# Altium PCB INC-QT1-R-005 93x100x1.6mm.PcbDoc
Units mil, origin at the board's own origin, x right, y up, seen from the top; angles counter-clockwise.
Board outline 3947.03 x 3672.67 mil, 2 copper layers (Top Layer, Bottom Layer); 116 components, 80 nets, 329 pads, 34 vias.
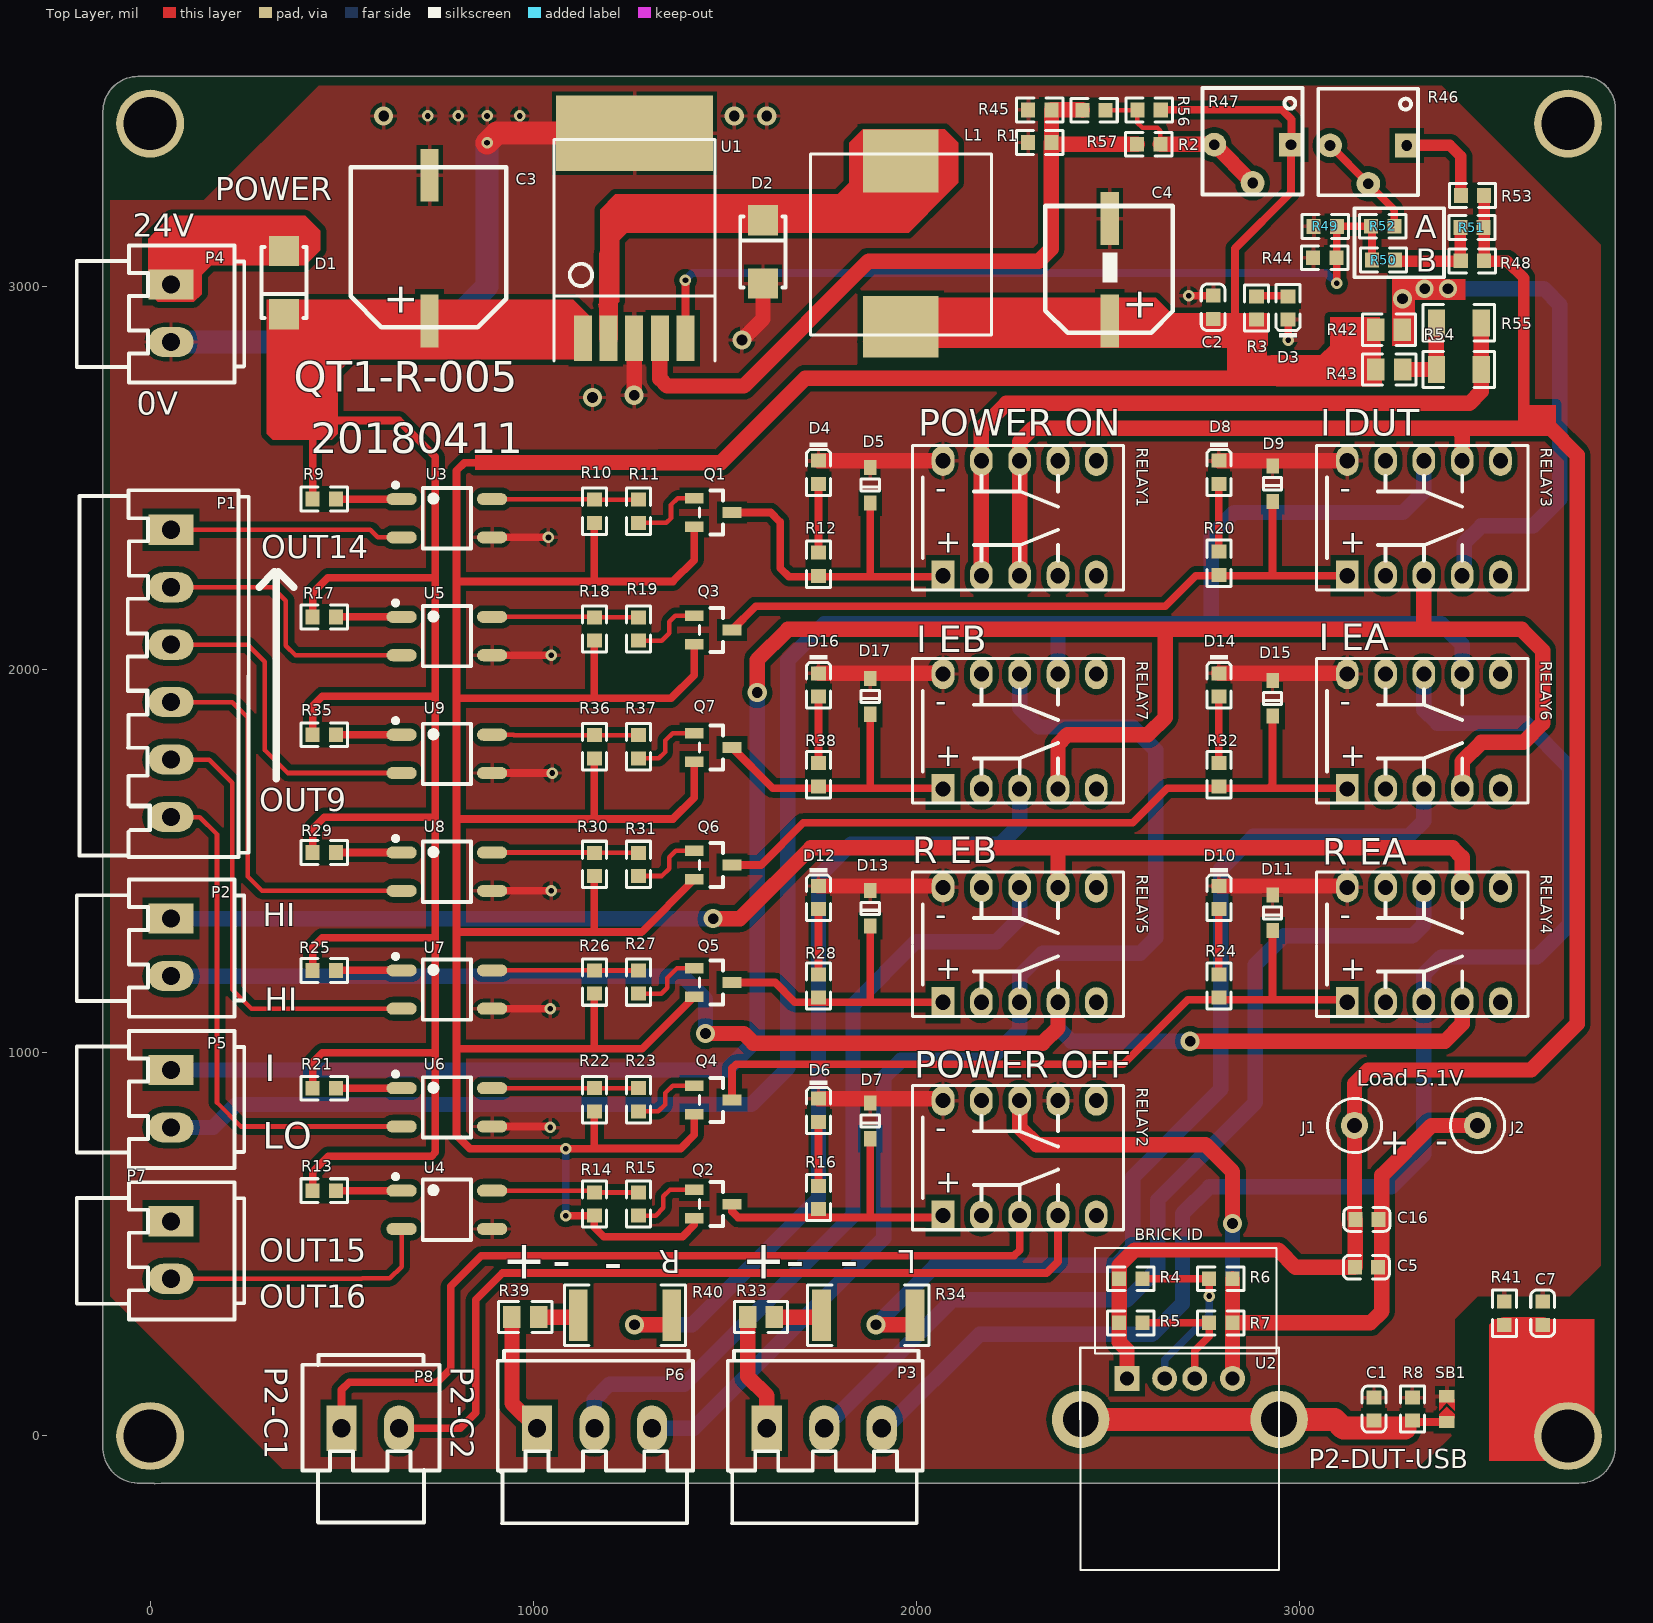
[diagram p0: Top Layer view]
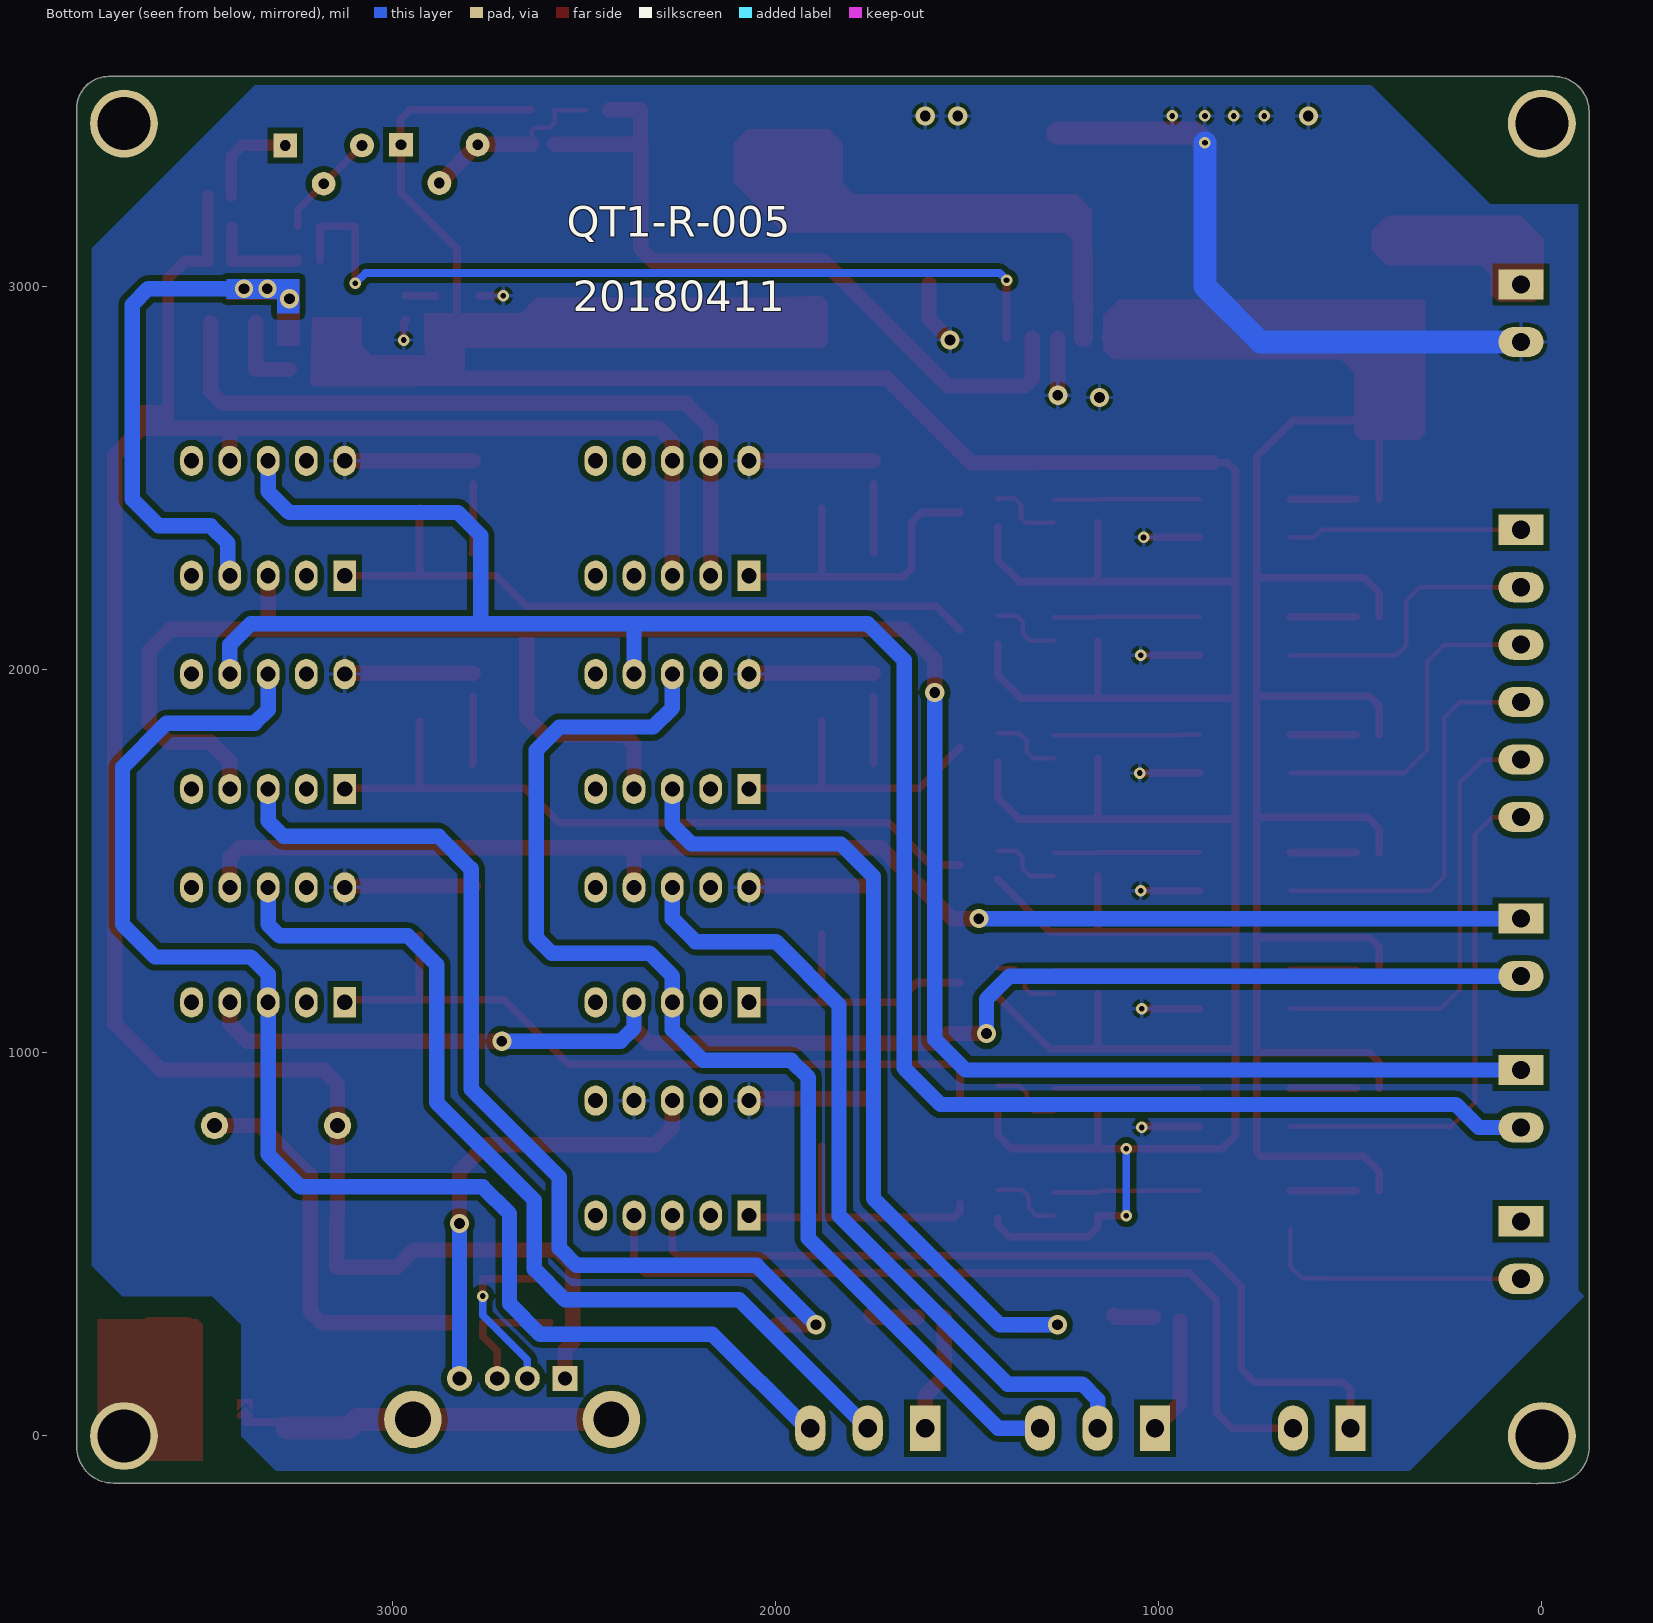
[diagram p1: Bottom Layer view, seen from below]
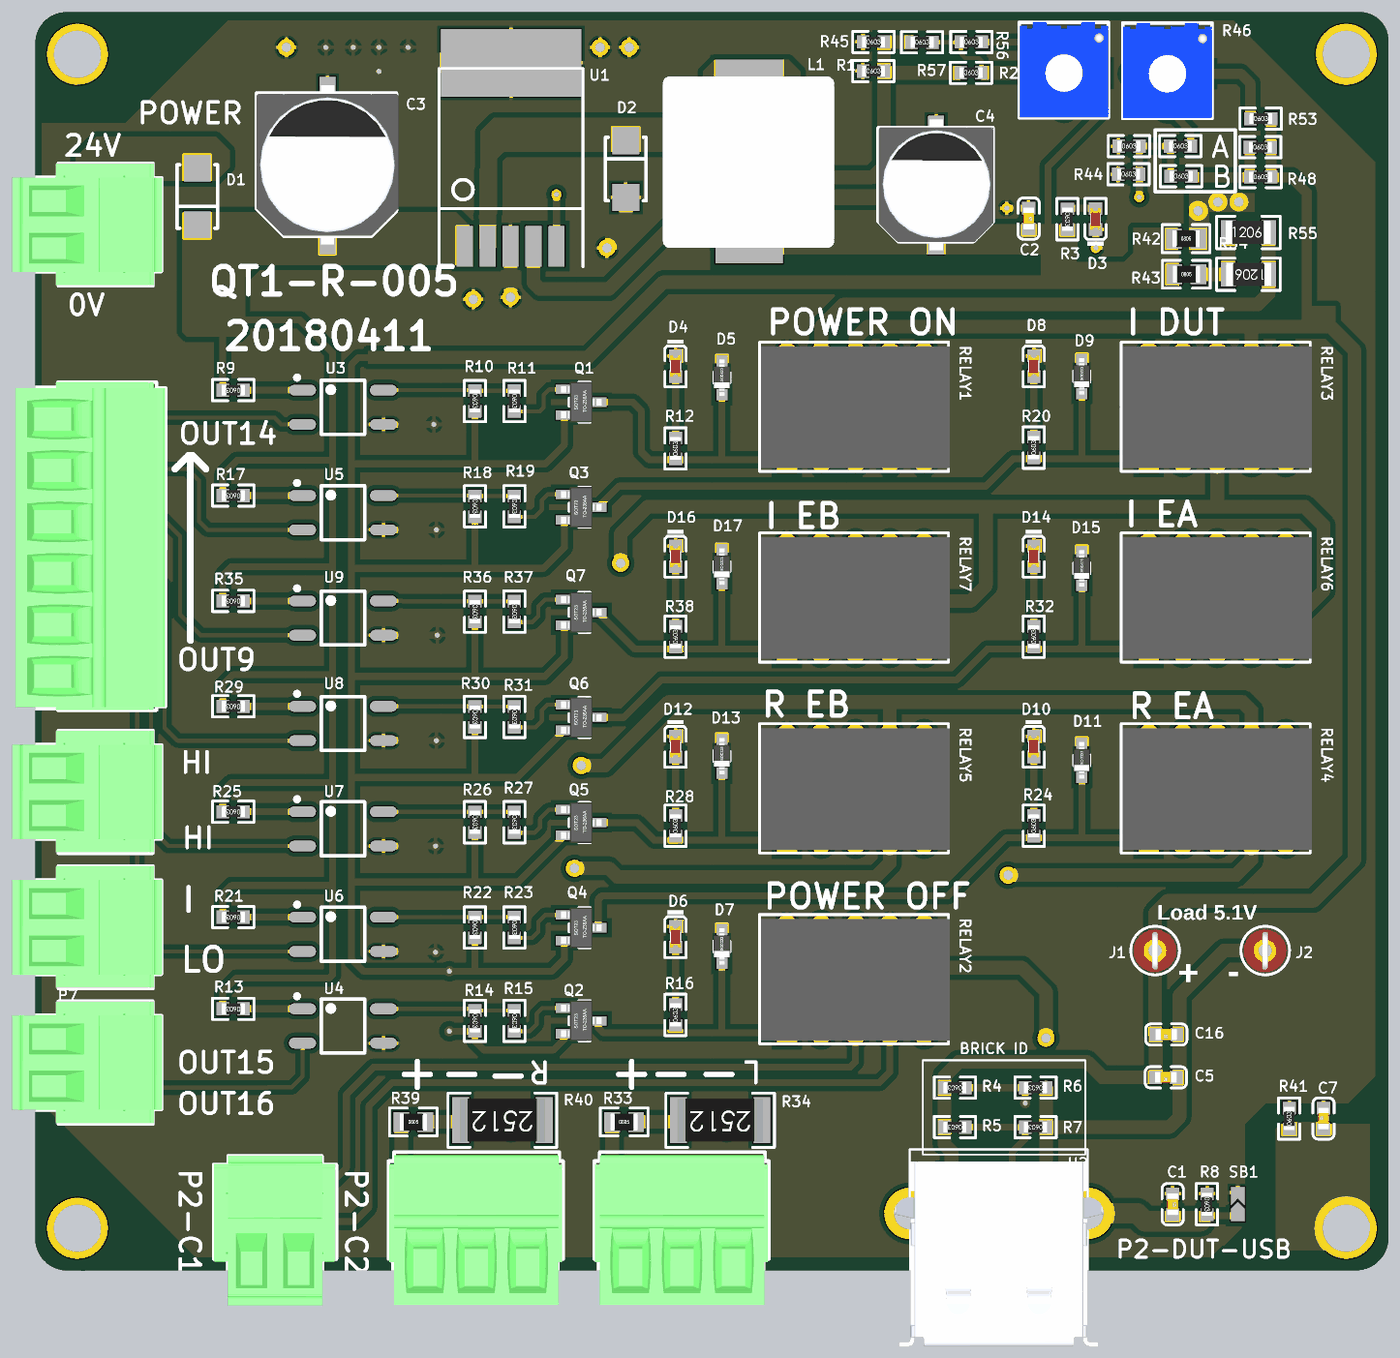
[diagram p2: 3D render of the assembled board from above, using the file's embedded part models]

## Layer stack, top to bottom
Top Solder: solder mask 0.4, Solder Resist, Dk 3.5
Top Layer: signal copper 1.4
Dielectric 1: dielectric 12.6, FR-4, Dk 4.8
Bottom Layer: signal copper 1.4
Bottom Solder: solder mask 0.4, Solder Resist, Dk 3.5

## Board outline
-25.29,-123.12 ccw(c-25.55,-118.11) -24.67,-123.05 9.4,-123.05 ccw(c12.83,-119.49) 13.23,-124.41 29.65,-123.05 3729.09,-123.05 ccw(c3729.09,-28.3) 3823.83,-28.3 3823.83,16.44 ccw(c3818.9,17.32) 3823.91,17.32 3823.91,3464.81 ccw(c3818.9,3464.81) 3823.83,3465.72 ccw(c3740.38,3464.81) 3740.38,3548.26 -31.8,3548.26 ccw(c-31.8,3457.01) -123.05,3457.01 -123.05,-33.92 ccw(c-118.11,-34.8) -123.12,-35.07 ccw(c-30.18,-30.18)

## Design rules (kind name [scope] priority, off if disabled: settings)
Clearance [All] p1: gap=15 ignorepadtopadclearanceinfootprint=FALSE
MinimumSolderMaskSliver [All] p1 off: minsoldermaskwidth=10
PolygonConnect [All] p1: connectstyle=Relief reliefconductorwidth=10 reliefentries=4 polygonreliefangle="90 Angle" airgapwidth=10
RoutingVias [All] p1: holewidth=28 width=50 viastyle="Through Hole" minholewidth=28 minwidth=50 maxholewidth=28 maxwidth=50
SilkToSilkClearance [All] p1 off: silktosilkclearance=10
SilkToSolderMaskClearance [IsPad] p1 off: minsilkscreentomaskgap=10 clearancetoexposedcopper=TRUE
SolderMaskExpansion [All] p1: expansion=4
Width [All] p1: maxlimit=100 minlimit=10 preferedwidth=20 minimp=50.000000 maximp=50.000000 favimp=50.000000
27 further rules are at their usual default settings.

## Components (designator, comment, footprint, x,y, rotation, side; value= is the part's Value field where it differs from the comment)
C1 "100nF (104) 10% 50V" 0603_C 3194.45,70.2 r270 top
C2 "100nF (104) 10% 50V" 0603_C 2774.45,2945.88 r270 top
C3 "220uf/50V" "贴片电解 10mm X 10mm" 729.45,2910.2 r90 top
C4 "220uf/35V" "贴片电解 8mm X 10mm" 2504.45,2910.2 r90 top
C5 "100nF (104) 10% 50V" 0603_C 3174.45,440.2 r180 top
C7 "100nF (104) 10% 50V" 0603_C 3634.45,320.2 r90 top
C16 "2.2uF (225) 10% 16V" 0603_C 3175.71,565.2 r180 top
D1 "SS54" SMA(DO-214AC)_S1 349.45,3010.2 r90 top
D2 "SS54" SMA(DO-214AC)_S1 1599.45,3090.2 r270 top
D3 "红灯 0603" 0603_LED_S1 2969.45,2944.2 r90 top
D4 "蓝灯 0603" 0603_LED_S1 1744.45,2515.2 r270 top
D5 "1N4148WS T4" SOD-323 1879.45,2481.65 r90 top
D6 "蓝灯 0603" 0603_LED_S1 1744.45,850.2 r270 top
D7 "1N4148WS T4" SOD-323 1879.45,822.18 r90 top
D8 "蓝灯 0603" 0603_LED_S1 2789.45,2515.2 r270 top
D9 "1N4148WS T4" SOD-323 2929.45,2485.2 r90 top
D10 "蓝灯 0603" 0603_LED_S1 2789.45,1405.2 r270 top
D11 "1N4148WS T4" SOD-323 2929.45,1365.2 r90 top
D12 "蓝灯 0603" 0603_LED_S1 1744.45,1405.2 r270 top
D13 "1N4148WS T4" SOD-323 1879.45,1377.18 r90 top
D14 "蓝灯 0603" 0603_LED_S1 2789.45,1960.2 r270 top
D15 "1N4148WS T4" SOD-323 2929.45,1925.2 r90 top
D16 "蓝灯 0603" 0603_LED_S1 1744.45,1960.2 r270 top
D17 "1N4148WS T4" SOD-323 1879.45,1930.2 r90 top
J1 "Socket" TP 3143.23,810.2 r0 top
J2 "Socket" TP 3464.45,810.2 r0 top
L1 "100UH" "贴片电感 12*12" 1959.45,3350.2 r270 top
P1 "Header 6" WJ15EDGVC-3.81-6P 54.45,2365.2 r270 top
P2 "Header 2" WJ15EDGVC-3.81-2P 54.45,1350.2 r270 top
P3 "Header 3" WJ15EDGVC-3.81-3P 1609.45,20.2 r0 top
P4 "Header 2" WJ15EDGVC-3.81-2P 54.45,3005.2 r270 top
P5 "Header 2" WJ15EDGVC-3.81-2P 54.45,955.2 r270 top
P6 "Header 3" WJ15EDGVC-3.81-3P 1009.45,20.2 r0 top
P7 "Header 2" WJ15EDGVC-3.81-2P 54.45,560.2 r270 top
P8 "Header 2" WJ15EDGVC-3.81-2P 499.45,20.2 r0 top
Q1 "SS8550 Y2" SOT-23(SOT-23-3) 1469.45,2410.2 r180 top
Q2 "SS8550 Y2" SOT-23(SOT-23-3) 1469.45,605.2 r180 top
Q3 "SS8550 Y2" SOT-23(SOT-23-3) 1469.45,2103.53 r180 top
Q4 "SS8550 Y2" SOT-23(SOT-23-3) 1469.45,876.86 r180 top
Q5 "SS8550 Y2" SOT-23(SOT-23-3) 1469.45,1183.53 r180 top
Q6 "SS8550 Y2" SOT-23(SOT-23-3) 1469.45,1490.2 r180 top
Q7 "SS8550 Y2" SOT-23(SOT-23-3) 1469.45,1796.86 r180 top
R1 "1.5KΩ (1501) ±1%" 0603_R 2321.68,3376 r0 top
R2 "5.1KΩ (5101) ±1%" 0603_R 2606.45,3371.2 r0 top
R3 "1.5KΩ (1501) ±1%" 0603_R 2887.45,2943.88 r270 top
R4 "43.2K" 0603_R 2559.45,410.2 r180 top
R5 "75KΩ (7502) ±1%" 0603_R 2559.45,295.2 r180 top
R6 "49.9KΩ (4992) ±1%" 0603_R 2794.45,410.2 r180 top
R7 "49.9KΩ (4992) ±1%" 0603_R 2794.45,295.2 r180 top
R8 "100KΩ (1003) ±1%" 0603_R 3294.45,70.2 r270 top
R9 "10KΩ (1002) ±1%" 0603_R 454.45,2445.2 r180 top
R10 "10KΩ (1002) ±1%" 0603_R 1159.45,2413.31 r270 top
R11 "2KΩ (2001) ±1%" 0603_R 1274.45,2413.31 r270 top
R12 "2KΩ (2001) ±1%" 0603_R 1744.45,2274.88 r90 top
R13 "10KΩ (1002) ±1%" 0603_R 454.45,640.2 r180 top
R14 "10KΩ (1002) ±1%" 0603_R 1159.45,605.2 r270 top
R15 "2KΩ (2001) ±1%" 0603_R 1274.45,605.2 r270 top
R16 "2KΩ (2001) ±1%" 0603_R 1744.45,622.52 r90 top
R17 "10KΩ (1002) ±1%" 0603_R 454.45,2137.7 r180 top
R18 "10KΩ (1002) ±1%" 0603_R 1159.45,2106.12 r270 top
R19 "2KΩ (2001) ±1%" 0603_R 1274.45,2106.12 r270 top
R20 "2KΩ (2001) ±1%" 0603_R 2789.45,2277.52 r90 top
R21 "10KΩ (1002) ±1%" 0603_R 454.45,907.7 r180 top
R22 "10KΩ (1002) ±1%" 0603_R 1159.45,877.38 r270 top
R23 "2KΩ (2001) ±1%" 0603_R 1274.45,877.38 r270 top
R24 "2KΩ (2001) ±1%" 0603_R 2789.45,1174.19 r90 top
R25 "10KΩ (1002) ±1%" 0603_R 454.45,1215.2 r180 top
R26 "10KΩ (1002) ±1%" 0603_R 1159.45,1184.57 r270 top
R27 "2KΩ (2001) ±1%" 0603_R 1274.45,1184.57 r270 top
R28 "2KΩ (2001) ±1%" 0603_R 1744.45,1174.19 r90 top
R29 "10KΩ (1002) ±1%" 0603_R 454.45,1522.7 r180 top
R30 "10KΩ (1002) ±1%" 0603_R 1159.45,1491.75 r270 top
R31 "2KΩ (2001) ±1%" 0603_R 1274.45,1491.75 r270 top
R32 "2KΩ (2001) ±1%" 0603_R 2789.45,1725.85 r90 top
R33 "0Ω (0R0) ±1%" 0805_R 1594.41,310.2 r0 top
R34 "66.5" 2512_R 1874.45,315.2 r180 top
R35 "10KΩ (1002) ±1%" 0603_R 454.45,1830.2 r180 top
R36 "10KΩ (1002) ±1%" 0603_R 1159.45,1798.94 r270 top
R37 "2KΩ (2001) ±1%" 0603_R 1274.45,1798.94 r270 top
R38 "2KΩ (2001) ±1%" 0603_R 1744.45,1725.85 r90 top
R39 "0Ω (0R0) ±1%" 0805_R 979.45,310.2 r0 top
R40 "66.5" 2512_R 1239.45,315.2 r180 top
R41 "100KΩ (1003) ±1%" 0603_R 3534.45,320.2 r90 top
R42 "0Ω (0R0) ±1%" 0805_R 3233.45,2887.2 r0 top
R43 "0Ω (0R0) ±1%" 0805_R 3234.41,2783.2 r0 top
R44 "11KΩ (1102) ±1%" 0603_R 3065.68,3075 r0 top
R45 "100KΩ (1003) ±1%" 0603_R 2322,3461 r0 top
R46 "RPot" "插件可调电阻 3362P" 3279.45,3368.2 r0 top value=2K
R47 "RPot" "插件可调电阻 3362P" 2977.45,3370.2 r0 top value=500Ω
R48 "31.6KΩ" 0603_R 3451,3067 r0 top
R49 "NC" 0603_R 3067,3157 r0 top
R50 "NC" 0603_R 3219.13,3069.2 r0 top
R51 "NC" 0603_R 3450,3154 r0 top
R52 "NC" 0603_R 3217.13,3157.2 r0 top
R53 "30KΩ (3002) ±1%" 0603_R 3451.45,3237.2 r0 top
R54 "1Ω (1R00) ±1%" 1206_R 3415.45,2783.2 r180 top
R55 "1Ω (1R00) ±1%" 1206_R 3415.45,2905.2 r0 top
R56 "0Ω (0R0) ±1%" 0603_R 2607.31,3461 r0 top
R57 "100KΩ (1003) ±1%" 0603_R 2463.68,3460 r0 top
RELAY1 "ATQ209" "插件继电器 TQ2-5V" 2069.45,2245.2 r0 top
RELAY2 "ATQ209" "插件继电器 TQ2-5V" 2069.45,575.2 r0 top
RELAY3 "ATQ209" "插件继电器 TQ2-5V" 3124.45,2245.2 r0 top
RELAY4 "ATQ209" "插件继电器 TQ2-5V" 3124.45,1131.86 r0 top
RELAY5 "ATQ209" "插件继电器 TQ2-5V" 2069.45,1131.86 r0 top
RELAY6 "ATQ209" "插件继电器 TQ2-5V" 3124.45,1688.53 r0 top
RELAY7 "ATQ209" "插件继电器 TQ2-5V" 2069.45,1688.53 r0 top
SB1 "Circuit Breaker" JP2_SMD 3384.45,70.2 r270 top
U1 "LM2596S-ADJ" LM2596-ADJ-263-5 1129.45,2865.2 r0 top
U2 "USB-6" USB_TypeA 2549.45,150.2 r180 top
U3 "EL357N(B)(TA)-G" SOP-4_P2.54 774.45,2395.2 r0 top
U4 "EL357N(B)(TA)-G" SOP-4_P2.54 774.45,590.2 r0 top
U5 "EL357N(B)(TA)-G" SOP-4_P2.54 774.45,2087.7 r0 top
U6 "EL357N(B)(TA)-G" SOP-4_P2.54 774.45,857.7 r0 top
U7 "EL357N(B)(TA)-G" SOP-4_P2.54 774.45,1165.2 r0 top
U8 "EL357N(B)(TA)-G" SOP-4_P2.54 774.45,1472.7 r0 top
U9 "EL357N(B)(TA)-G" SOP-4_P2.54 774.45,1780.2 r0 top

## Footprints (in the part's own frame and the unit in brackets; to place one, negate y for a bottom-side part, rotate by r counter-clockwise, add the part's x,y. Pads: shape width x height; smd on the part's side, far side on the other; paste and mask are expansions set on the pad)
0603_C [mm]
  rect 0.93x0.98 smd: 1(-0.77,0) 2(0.77,0)
  silkscreen extent -1.53,-0.79 1.54,0.79, body extent -0.8,-0.4 0.8,0.4, height 0.3
0603_LED_S1 [mm]
  rect 0.93x0.98 smd: A(0.77,0) K(-0.77,0)
  silkscreen extent -1.98,-0.79 1.54,0.79, body extent -0.8,-0.4 0.8,0.4, height 0.6
0603_R [mm]
  rect 0.93x0.98 smd: 1(-0.77,0) 2(0.77,0)
  silkscreen extent -1.53,-0.79 1.54,0.79, body extent -0.85,-0.4 0.85,0.4, height 0.56
0805_R [mm]
  rect 1.16x1.47 smd: 1(-0.89,0) 2(0.89,0)
  silkscreen extent -1.77,-1.04 1.77,1.03, body extent -1,-0.62 1,0.63, height 0.49
1206_R [mm]
  rect 1.13x1.8 smd: 1(-1.49,0) 2(1.49,0)
  silkscreen extent -2.36,-1.2 2.35,1.2, body extent -1.7,-0.86 1.65,0.87, height 0.85
2512_R [mm]
  rect 1.25x3.42 smd: 1(-3.1,0) 2(3.1,0)
  silkscreen extent -4.03,-2.01 4.02,2.01, body extent -3.16,-1.6 3.16,1.6, height 0.62
JP2_SMD [mil]
  rect 32x40 smd: 1(33.75,0) 2(-33.75,0)
  Top Layer region: 23.75,20 13.75,20 -6.25,0 13.75,-20 23.75,-20
  Top Layer region: -26.25,0 -16.25,0 3.75,20 -26.25,20
  Top Layer region: -26.25,0 -16.25,0 3.75,-20 -26.25,-20
LM2596-ADJ-263-5 [mm]
  rect 1.2x3 smd: 1(0,0) 2(1.7,0) 3(3.4,0) 4(5.1,0) 5(6.8,0)
  rect 10.4x5 smd: 3(3.429,13.589)
  silkscreen extent -1.91,-1.52 8.76,13.18
SMA(DO-214AC)_S1 [mm]
  rect 2x2 smd: 1(2.1,0) 2(-2.1,0)
  silkscreen extent -2.35,-1.5 2.35,1.5
SOD-323 [mm]
  rect 1x0.83 smd: 1(1.18,0) 2(-1.18,0)
  silkscreen extent -0.4,-0.6 0.4,0.6, body extent -1.35,-0.62 1.35,0.63, height 1.1
SOP-4_P2.54 [mm]
  oval 2x0.8 smd: 1(-3,1.27) 2(-3,-1.27) 3(3,-1.27) 4(3,1.27)
  silkscreen extent -3.55,-2 1.6,2.35
SOT-23(SOT-23-3) [mm]
  rect 1.25x0.7 smd: 1(1.25,-0.95) 2(1.25,0.95) 3(-1.25,0)
  silkscreen extent -0.65,-1.46 0.9,1.46, body extent -1.5,-1.5 1.5,1.5, height 1.3